# Altium PCB PI_CAN_Interface_v2.PcbDoc
Units mil, origin at the board's own origin, x right, y up, seen from the top; angles counter-clockwise.
Board outline 2565.49 x 2211.16 mil, 2 copper layers (Top Layer, Bottom Layer); 50 components, 37 nets, 172 pads, 310 vias.
Unrouted connection lines stored in the file: 12.
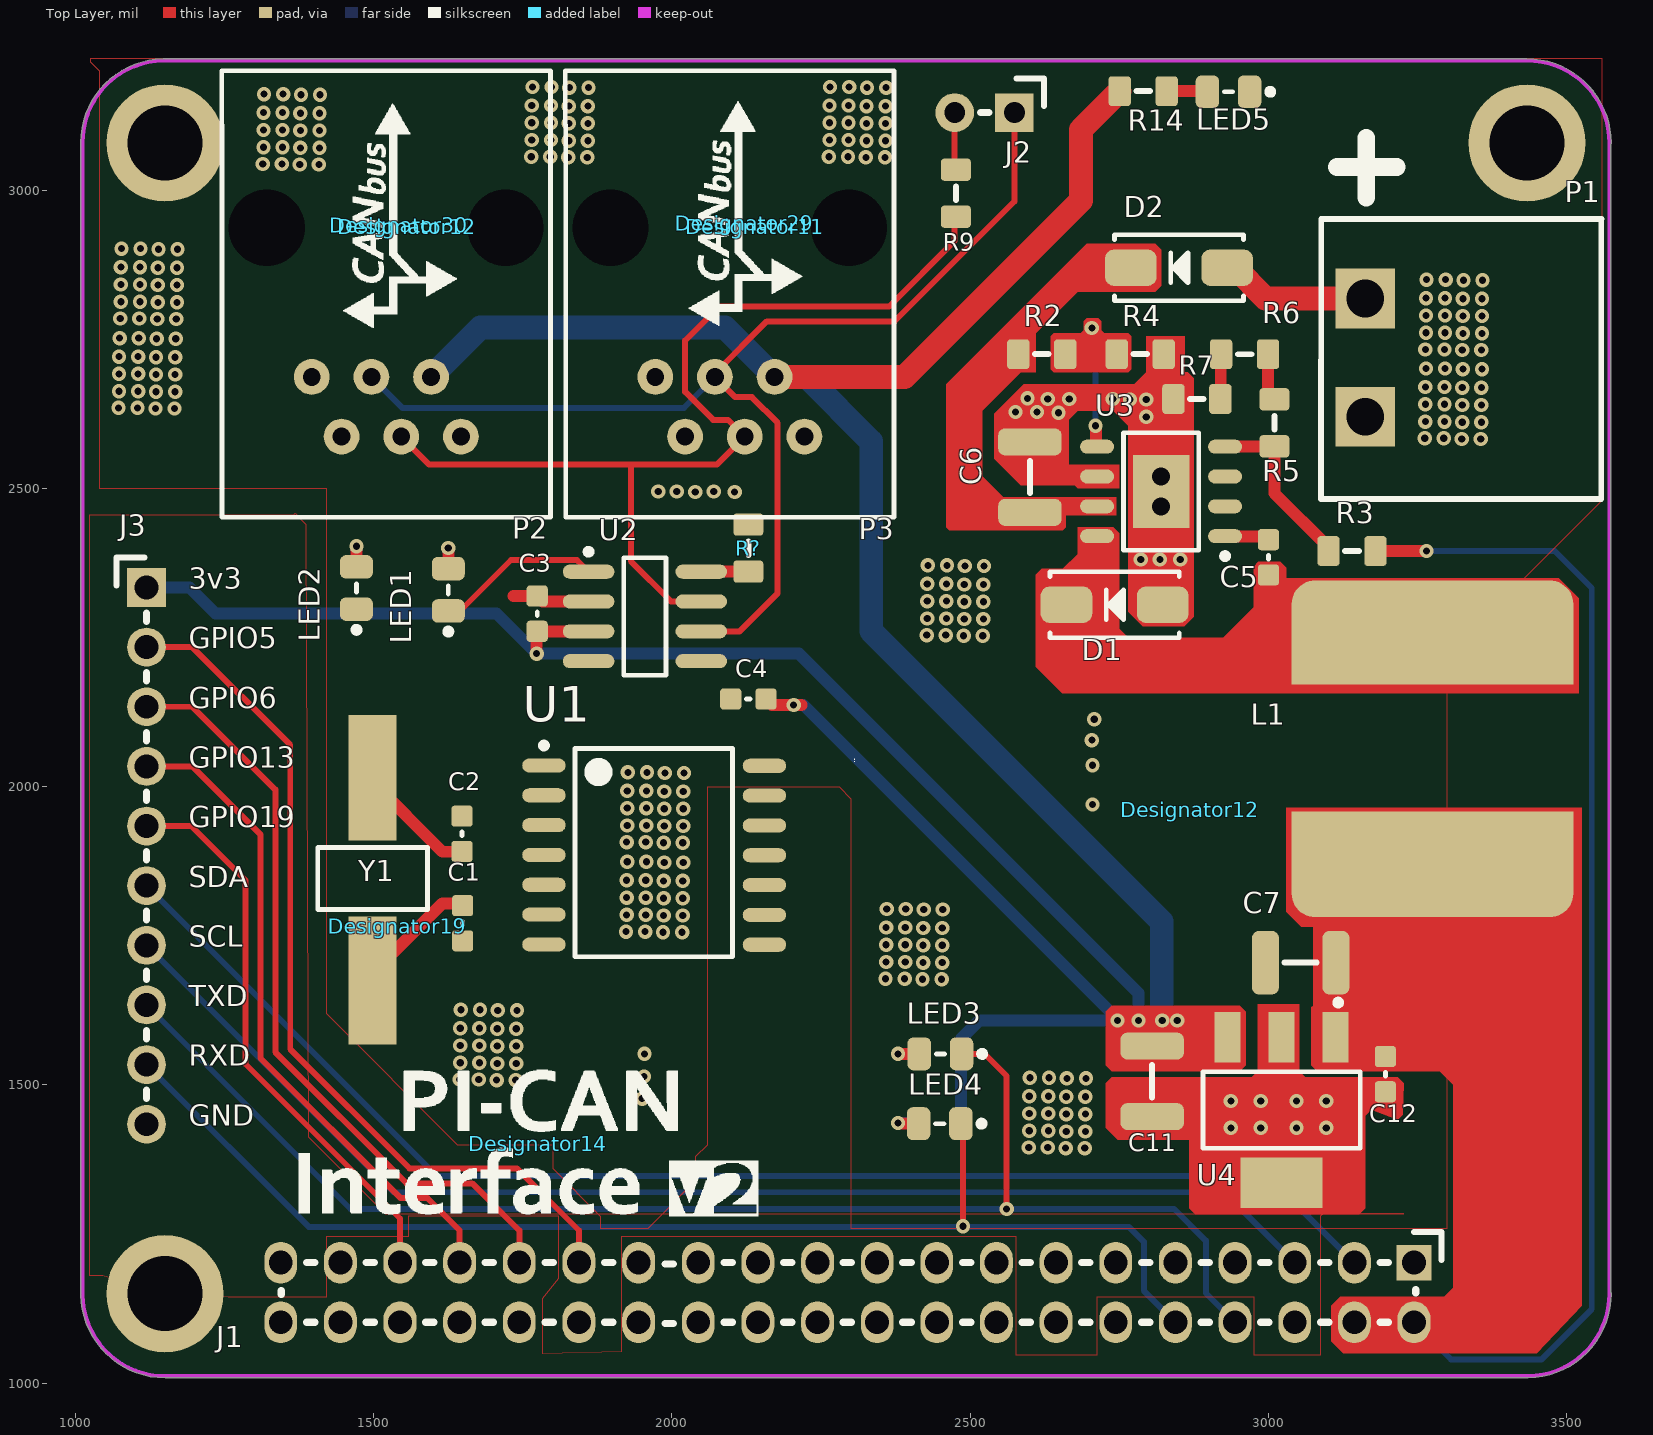
[diagram p0: Top Layer view]
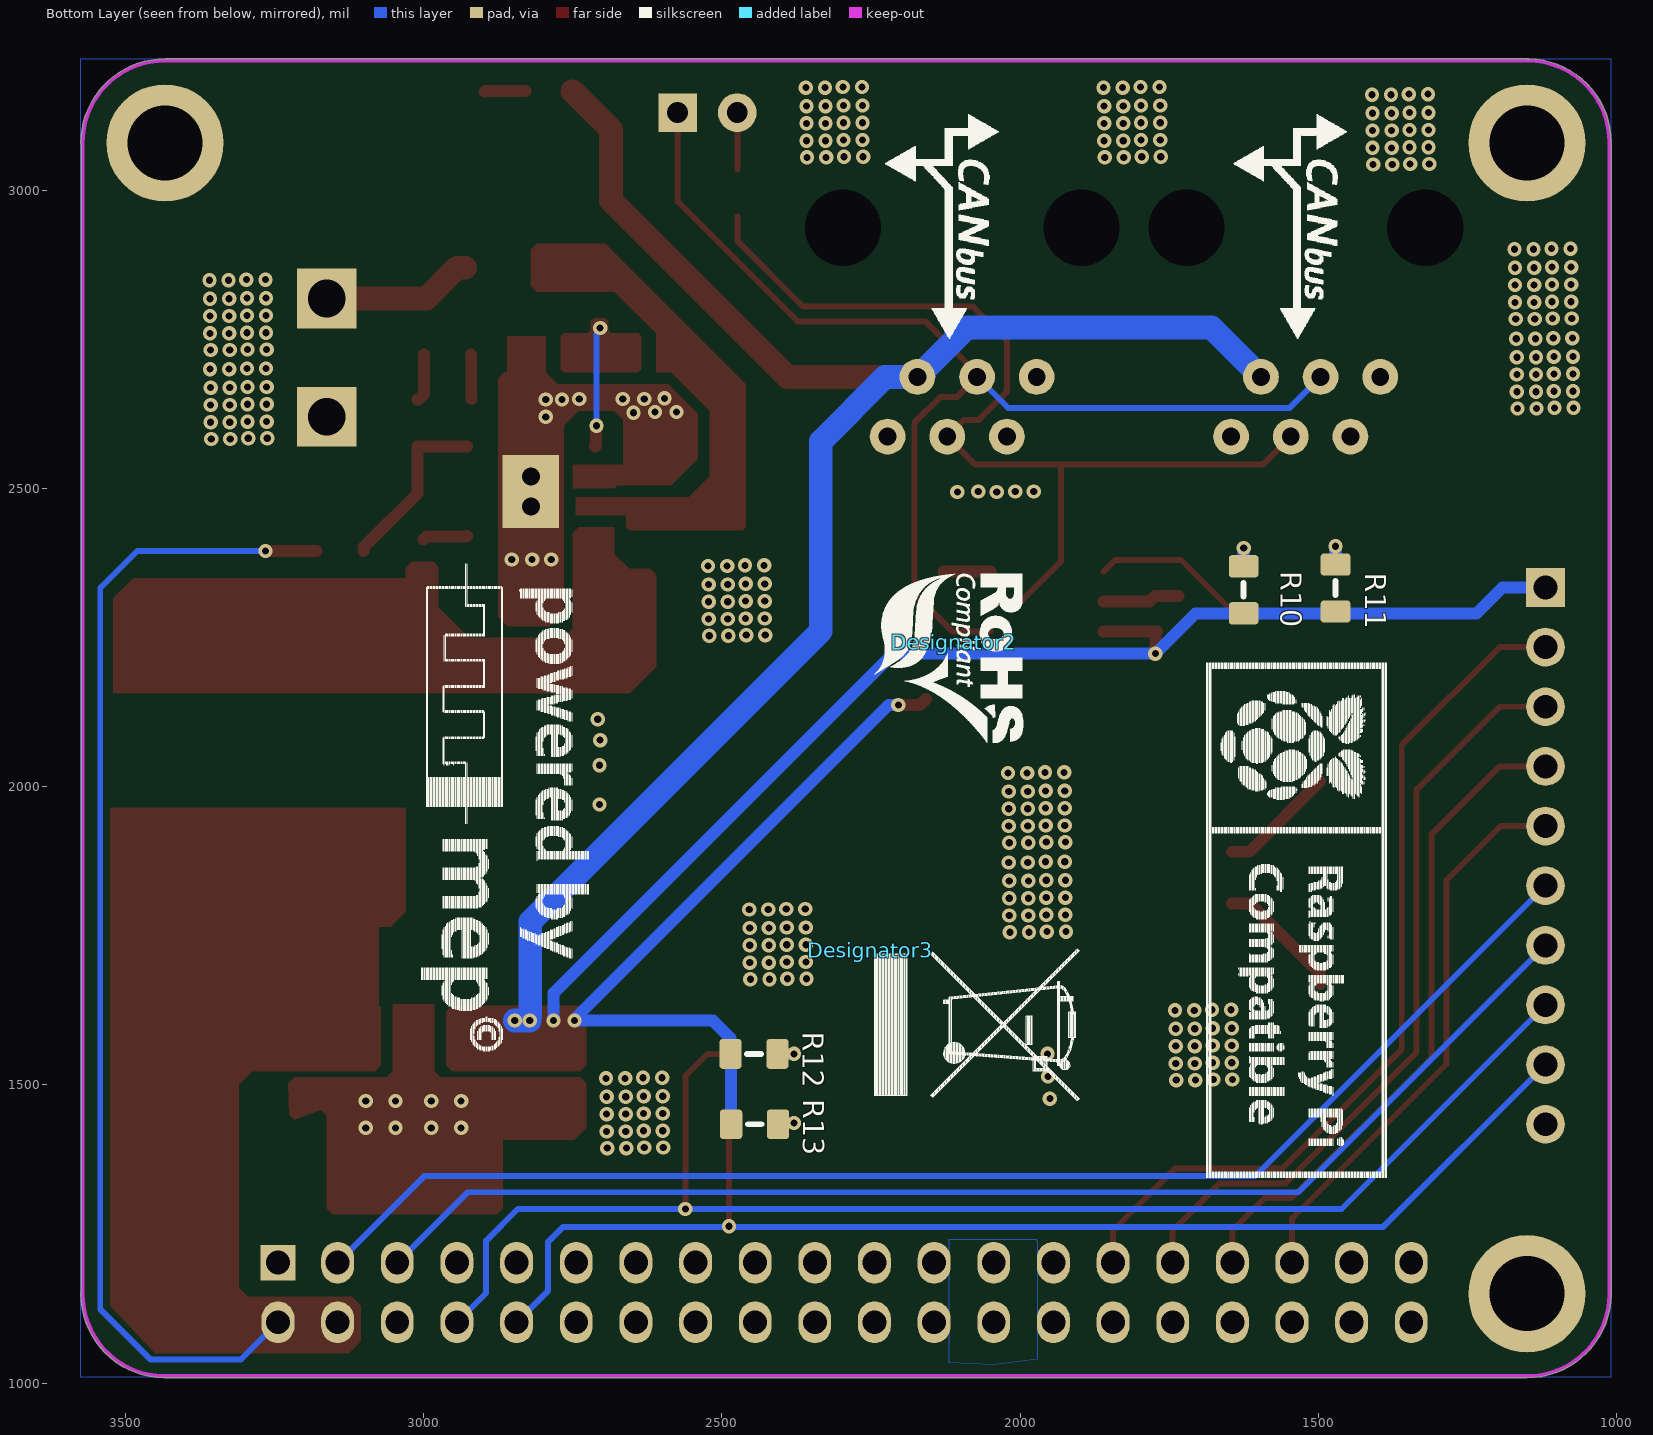
[diagram p1: Bottom Layer view, seen from below]

## Layer stack, top to bottom
Top Solder: solder mask 0.4, Solder Resist, Dk 3.5
Top Layer: signal copper 1.4
Dielectric 1: dielectric 12.6, FR-4, Dk 4.8
Bottom Layer: signal copper 1.4
Bottom Solder: solder mask 0.4, Solder Resist, Dk 3.5

## Board outline
1009,1147.93 cw(c1012.01,1147.97) 1009.19,1149.03 cw(c1012,1150.13) 1008.99,1150.13 1008.99,3080 cw(c1149.13,3080) 1147.07,3220.13 cw(c1147.12,3217.12) 1148.29,3219.89 cw(c1149.13,3217) 1149.13,3220.01 3432.44,3220.01 cw(c3433.33,3217.13) 3433.33,3220.15 cw(c3433.46,3079.13) 3574.48,3079.13 cw(c3433.46,3079.13) 3574.48,3079 cw(c3571.46,3079) 3574.01,3077.39 3574.01,1151.74 cw(c3571.46,1150.13) 3574.48,1150.14 cw(c3433.47,1150) 3574.48,1150 cw(c3433.47,1150) 3435.54,1009 cw(c3435.5,1012.01) 3434.43,1009.19 cw(c3433.33,1012) 3433.33,1008.99 1150.13,1008.99 1150.14,1008.99 cw(c1150,1150)

## Design rules (kind name [scope] priority, off if disabled: settings)
Clearance [All] p1: gap=10 ignorepadtopadclearanceinfootprint=FALSE except(0: Arc-Hole Track-Hole SMDPad-Hole THPad-Hole Via-Hole Fill-Hole Poly-Hole Region-Hole Text-Hole)
PlaneConnect [All] p1: pad.planeconnectstyle=Relief pad.reliefexpansion=20 pad.reliefentries=4 pad.reliefconductorwidth=10 pad.reliefairgap=10 via.planeconnectstyle=Direct via.reliefexpansion=20 via.reliefentries=4 via.reliefconductorwidth=10 via.reliefairgap=10
PolygonConnect [All] p1: thpad.connectstyle=Direct thpad.reliefconductorwidth=10 thpad.reliefentries=4 thpad.polygonreliefangle="90 Angle" thpad.airgapwidth=6 smdpad.connectstyle=Relief smdpad.reliefconductorwidth=10 smdpad.reliefentries=4 smdpad.polygonreliefangle="90 Angle" smdpad.airgapwidth=10 via.connectstyle=Direct via.reliefconductorwidth=10 via.reliefentries=4 via.polygonreliefangle="90 Angle" via.airgapwidth=6
RoutingVias [All] p1: holewidth=12 width=24 viastyle="Through Hole" minholewidth=12 minwidth=24 maxholewidth=28 maxwidth=50
SilkToSolderMaskClearance [IsPad] p1: minsilkscreentomaskgap=2 clearancetoexposedcopper=TRUE
SolderMaskExpansion [All] p1: expansion=4
Width [All] p1: maxlimit=40 minlimit=10 preferedwidth=20
28 further rules are at their usual default settings.

## Classes and differential pairs
component class PI_CAN_Interface_v2: * C1 C2 C3 C4 C5 C6 C7 C11 C12 D1 D2 J1 J2 J3 L1 LED1 LED2 LED3 LED4 LED5 P1 P2 P3 R2 R3 R4 R5 R6 R7 R9 R10 R11 R12 R13 R14 R? U1 U2 U3 U4 Y1

## Components (designator, comment, footprint, x,y, rotation, side; value= is the part's Value field where it differs from the comment)
C1 "22pF" CER_0603 1649,1771 r180 top
C2 "22pF" CER_0603 1648,1921 r0 top
C3 "100n" CER_0603 1774,2290 r0 top
C4 "100n" CER_0603 2128,2147 r90 top
C5 "0.01uF" CER_0603 3000,2384.53 r180 top
C6 "10uF" CER_1210 2600,2520 r0 top
C7 "220uF" TANT_1210 3055,1705 r270 top
C11 "10uF" TANT_1210 2805,1507 r0 top
C12 "100n" CER_0603 3196,1518 r180 top
D1 "B340A" DO214AC 2742,2305 r0 top
D2 "SK34" DO214AC 2850,2870 r0 top
Designator2 "Comment" "Silk - ROHS" 2111.1,2242 r270 bottom
Designator3 "Comment" "SILK - RECYCLE maxi" 2251,1726 r270 bottom
Designator11 "Comment" CANbus_LOGO_bottom_big 2139,2939 r90 top
Designator12 "Comment" CANbus_LOGO_bottom_big 1555,2939 r90 top
Designator12 "Comment" MEP_LOGO_BIG 2868,1961 r90 top
Designator14 "Comment" PICAN 1775,1401 r0 top
Designator19 "Comment" RPI_PWD_bottom_big 1539,1766 r90 top
Designator29 "Comment" CANbus_LOGO_top 2121,2945 r90 top
Designator30 "Comment" CANbus_LOGO_top 1542,2941 r90 top
J1 "00000005" HM2X20 2294,1152 r270 top
J2 "*" HM1X2 2524,3130 r180 top
J3 "00000006" HM1X10 1119,1884 r270 top
L1 "15uH" INDUCTOR_SS1260-103MLD 3290,2065 r90 top
LED1 "LED GREEN" LED_GREEN_0805 1625,2330 r90 top
LED2 "LED GREEN" LED_GREEN_0805 1471,2333 r90 top
LED3 "LED GREEN" LED_GREEN_0805 2450,1552 r180 top
LED4 "LED GREEN" LED_GREEN_0805 2449,1435 r180 top
LED5 "LED RED" LED_RED_0805 2933,3165 r180 top
P1 "*" PWR_CON 3162,2620.43 r0 top
P2 "RJ-11" RJ11-6N-B 1498,2870 r270 top
P3 "RJ-11" RJ11-6N-B 2074,2870 r270 top
R2 "330k" RESC2013X38N-0805-NOOVERLAY 2620,2725 r270 top
R3 "10k" RESC2013X38N-0805-NOOVERLAY 3140,2395 r90 top
R4 "56k" RESC2013X38N-0805-NOOVERLAY 2785,2725 r270 top
R5 "220R" RESC2013X38N-0805-NOOVERLAY 3010,2610 r0 top
R6 "820R" RESC2013X38N-0805-NOOVERLAY 2960,2725 r90 top
R7 "2.2K" RESC2013X38N-0805-NOOVERLAY 2880,2650 r90 top
R9 "120R" RESC2013X38N-0805-NOOVERLAY 2476,2995 r180 top
R10 "1k" RESC2013X38N-0805-NOOVERLAY 1625,2330 r180 bottom
R11 "1k" RESC2013X38N-0805-NOOVERLAY 1471,2333 r180 bottom
R12 "1k" RESC2013X38N-0805-NOOVERLAY 2446,1552 r270 bottom
R13 "1k" RESC2013X38N-0805-NOOVERLAY 2445,1434 r270 bottom
R14 "1k" RESC2013X38N-0805-NOOVERLAY 2790,3166 r270 top
R? "10k" RESC2013X38N-0805-NOOVERLAY 2128,2400 r0 top
U1 "MCP2518FD" SOIC14-300 1785,2035 r0 top
U2 "SN65HVD230DR" SOIC-8 1955,2285 r0 top
U3 "TPS5430" HSOP-8 2820,2495 r180 top
U4 "LM2937-5" SOT223 3022,1458 r180 top
Y1 "20MHz" OSCILATOR 1496,1845 r90 top

## Footprints (in the part's own frame and the unit in brackets; to place one, negate y for a bottom-side part, rotate by r counter-clockwise, add the part's x,y. Pads: shape width x height; smd on the part's side, far side on the other; paste and mask are expansions set on the pad)
CANbus_LOGO_bottom_big [mil]
CANbus_LOGO_top [mil]
  silkscreen extent -172,-97 204,92
CER_0603 [mm]
  rrect30% 0.9x0.9 smd: 1(0,0.75) 2(0,-0.75)
  silkscreen extent 0,-0.08 0,0.08, body extent -0.4,-0.8 0.4,0.8, height 0.79
CER_1210 [mm]
  rrect50% 2.7x1.15 smd: 1(0.003,1.474) 2(0.003,-1.526)
  silkscreen extent 0,-0.71 0,0.66, body extent -1.25,-1.6 1.25,1.6, height 1
DO214AC [mm] "Diode,Molded Body;5.105mm L X 2.665mm W X 2.29mm H"
  rrect50% 2.2x1.55 smd: 1(-2.05,0) 2(2.05,0)
  silkscreen extent -2.75,-1.4 2.75,1.4, body extent -2.75,-1.4 2.75,1.4, height 2.6
HM1X2 [mil] "Single row pin header 1x2, 2.54mm"
  rect 65x65 hole 35: 1(-50,0)
  round 65 hole 35: 2(50,0)
  silkscreen extent -100,-57 7,0, body extent -100,-57 100,57, height 335
HM1X10 [mil]
  rect 65x65 hole 40: 1(-450,0)
  round 65 hole 40: 2(-350,0) 3(-250,0) 4(-150,0) 5(-50,0) 6(50,0) 7(150,0) 8(250,0) 9(350,0) 10(450,0)
  silkscreen extent -500,-50 407,0, body extent -500,-50 500,50, height 336
HM2X20 [mil] "Double row pin header 2x20, 2.54mm"
  rect 59.06x59.06 hole 40: 1(-50,950)
  oval 70x55 hole 40: 2(50,950) 3(-50,850) 4(50,850) 5(-50,750) 6(50,750) 7(-50,650) 8(50,650) 9(-50,550) 10(50,550) 11(-50,450) 12(50,450) 13(-50,350) 14(50,350) 15(-50,250) 16(50,250) 17(-50,150) 18(50,150) 19(-50,50) 20(50,50) 21(-50,-50) 22(50,-50) 23(-50,-150) 24(50,-150) 25(-50,-250) 26(50,-250) 27(-50,-350) 28(50,-350) 29(-50,-450) 30(50,-450) 31(-50,-550) 32(50,-550) 33(-50,-650) 34(50,-650) 35(-50,-750) 36(50,-750) 37(-50,-850) 38(50,-850) 39(-50,-950) 40(50,-950)
  silkscreen extent -101,-949 52,996, body extent -99,-1007 97,1005, height 84
HSOP-8 [mm] "SOIC, 8-Leads, Body 4.90x3.90mm, Pitch 1.27mm, Thermal Pad 3.10x2.40mm, IPC Medium Density"
  oval 1.45x0.6 smd: 1(-2.725,1.905) 2(-2.725,0.635) 3(-2.725,-0.635) 4(-2.725,-1.905) 5(2.725,-1.905) 6(2.725,-0.635) 7(2.725,0.635) 8(2.725,1.905)
  rect 2.4x3.1 all layers, no hole: 9(0,0)
  silkscreen extent -2.85,-2.5 1.6,2.88, body extent -3.02,-2.36 3.01,2.34, height 1.7
INDUCTOR_SS1260-103MLD [mil]
  rect 75x472.44 smd: 1(144,15) 2(-144,15)
  rrect50% 157.48x472.44 smd: 1(202,15) 2(-205,15)
  body extent -247,-231 245,261, height 315
LED_GREEN_0805 [mm] "Diode GREEN;2.00mm L X 1.25mm W X 1.20mm H"
  rrect50% 1x1.4 smd: 1(-0.9,0) 2(0.9,0)
  silkscreen extent -1.9,-0.13 0.18,0.13, body extent -1.01,-0.62 1.01,0.63, height 1.1
LED_RED_0805 [mm] "Diode 2.00mm L X 1.25mm W X 1.20mm H"
  rrect50% 1x1.4 smd: 1(-0.9,0) 2(0.9,0)
  silkscreen extent -1.91,-0.13 0.18,0.13, body extent -1.05,-0.67 1.05,0.68, height 0.9
MEP_LOGO_BIG [mil]
OSCILATOR [mil]
  rect 210x80 smd: 1(170,-2)
  rect 215x80 smd: 2(-170,-2)
  silkscreen extent -51,-94 53,90, body extent -251,-95 253,95, height 169
PICAN [mil]
  silkscreen extent -401,-120 370,124
PWR_CON [mm]
  rect 2.54x2.54 hole 1.6: 1(0,0) 2(0,5.029)
  silkscreen extent -1.88,-3.51 10.06,8.42, body extent -2.01,-3.59 10,8.57, height 8.73
RESC2013X38N-0805-NOOVERLAY [mm] "Resistor,Chip;2.03mm L X 1.27mm W X 0.6mm H"
  rrect30% 1.27x0.95 smd: 1(0,1) 2(0,-1)
  silkscreen extent 0,-0.29 0,0.29, body extent -0.62,-1 0.63,1, height 0.5
RJ11-6N-B [mm] "RJ11 MODULAR JACK 6 POSITION, 1 PORT"
  round 1.524 hole 0.76: 1(7.19,3.76) 2(4.65,2.49) 3(7.19,1.22) 4(4.65,-0.05) 5(7.19,-1.32) 6(4.65,-2.59)
  round 0 hole 3.25: ""(-1.7,5.66) ""(-1.7,-4.5)
  silkscreen extent -8.38,-6.42 10.63,7.58, body extent -8.04,-5.95 10.16,7.35, height 11.5
RPI_PWD_bottom_big [mil]
"SILK - RECYCLE maxi" [mil]
  silkscreen extent -2,8 252,350
"Silk - ROHS" [mil]
  silkscreen extent -115,-133 169,116
SOIC14-300 [mm]
  oval 1.85x0.6 smd: 1(0.009,0.013) 2(0.009,-1.257) 3(0.009,-2.527) 4(0.009,-3.797) 5(0.009,-5.067) 6(0.009,-6.337) 7(0.009,-7.607) 8(9.398,-7.62) 9(9.398,-6.35) 10(9.398,-5.08) 11(9.398,-3.81) 12(9.398,-2.54) 13(9.398,-1.27) 14(9.398,0)
  silkscreen extent -0.12,-8.13 8.03,0.99, body extent -0.42,-8.31 10.08,0.69, height 2.67
SOIC-8 [mm]
  oval 2.2x0.6 smd: 1(-2.409,1.914) 2(-2.409,0.644) 3(-2.409,-0.626) 4(-2.409,-1.896) 5(2.391,-1.896) 6(2.391,-0.626) 7(2.391,0.644) 8(2.391,1.914)
  silkscreen extent -2.53,-2.49 0.89,2.89, body extent -2.84,-2.45 2.93,2.45, height 1.45
SOT223 [mm] "SOT-223/SC-73; 4 Leads; Body 6.7 x 7.3 mm, inc. leads (LxW max)"
  rect 1.1x2.15 smd: 1(-2.3,-3.1) 2(0,-3.1) 3(2.3,-3.1)
  rect 3.5x2.15 smd: 4(0,3.1)
  silkscreen extent -3.35,-4.7 3.35,1.63, body extent -3.25,-3.6 3.25,3.4, height 1.7
TANT_1210 [mm]
  rrect50% 2.7x1.15 smd: 1(0.003,1.474) 2(0.003,-1.526)
  silkscreen extent 0,-0.71 0,0.66, body extent -1.4,-1.83 1.4,1.83, height 1.92

## Part data
C1 C2: library part 00002200, "CAP CER 20p 0805", Capacitance=22pF
C3 C4 C5 C12: library part 06032105, "CAP CER 100n 10V X5R 10% 0603"
  C3 C4 C12: Capacitance=100n
  C5: Capacitance=0.01uF
C6: library part 00002225, "CAP CER 2.2u X7R 100V 20% 1210", Capacitance=10uF
C7: library part 00011106, "CAP TANT 10u 25V T491 2312", Capacitance=220uF
C11: library part 00001106, "CAP TANT 10u"
D1: library part B360B, "DIODE SCHOTTKY 60V 3A DO214AC", Current  Average Rectified=3A, Manufacturer="Vishay Semiconductor Diodes Division", Package Case="DO-214AC, SMA", Recommended Rating=Silver, Voltage  DC Reverse=60V, Voltage  Forward="550mV @ 3A", Assembly=SMD, Barcode=0100000007488, Category="Discrete Semiconductor Products", Datasheet URL=http://www.vishay.com/docs/88896/b330la.pdf, Diode Type=Schottky, Family=DIODE, id=62, item_id=1025, Manufacturer Part Number=B340A, Part Type="Discrete Semiconductors", Speed="Fast Recovery =< 500ns, > 200mA (Io)"
D2: "DIODE SCHOTTKY 40V 3A DO214AC", Current  Average Rectified=3A, Manufacturer="Vishay Semiconductor Diodes Division", Package Case="DO-214AC, SMA", Recommended Rating=Silver, Voltage  DC Reverse=40V, Voltage  Forward="550mV @ 3A", Assembly=SMD, Barcode=0100000007488, Category="Discrete Semiconductor Products", Datasheet URL=http://www.vishay.com/docs/88896/b330la.pdf, Diode Type=Schottky, Family=DIODE, id=62, item_id=1025, Manufacturer Part Number=SK34, Part Type="Discrete Semiconductors", Speed="Fast Recovery =< 500ns, > 200mA (Io)"
J2: library part 00000003
L1: library part IND_10uH, "FIXED IND 10uH 3A", Current Rating=3A, DC Resistance=45mOhm, Manufacturer=Coilcraft, Manufacturer Part Number=XAL7030-103MEB, Package Case=8x8mm, Tolerance=20%, Assembly=SMD, Category="Inductors, Coils, Chokes", Datasheet URL=http://www.mouser.com/ds/2/597/MSS7348-1076571.pdf, Family=INDUCTOR, Inductance=15uH, Part Type="Inductor, Transf, Filter, Ferrite", Product Page Mouser=https://eu.mouser.com/ProductDetail/Coilcraft/MSS7348-103MEB/?qs=sGAEpiMZZMsg%252by3WlYCkU%252bbmGPYv72aIHZue6QQJkp0%3d
LED1 LED2 LED3 LED4: library part "LED_GREEN 0805", "LED GREEN CLEAR 0805 SMD", Color=Green, Lens Color=Colorless, Manufacturer=Kingbright, Manufacturer Part Number=APT2012SGC, Package Case="0805 (2012 Metric)", Recommended Rating=Platinum, Voltage Forward=2.2V, Assembly=SMD, Barcode=2911010024338, Category=Optoelectronics, Datasheet URL=http://www.kingbrightusa.com/images/catalog/SPEC/APT2012SGC.pdf, Family=LED, id=28, item_id=3342, Lens Transparency=Clear, Part Type=Optoelectronics, Wavelength=568nm
LED5: library part LED_RED_0805, "LED RED 0805", Color=Red, Manufacturer="BRIGHT LED ELECTRONICS", Manufacturer Part Number=BL-HUB35A-AV-TRB, Package Case="0805 (2012 Metric)", Recommended Rating=Platinum, Voltage Forward="2.0 V", Assembly=SMD, Barcode=2911010024321, Family=LED, id=35, item_id=3341, Part Type=Optoelectronics
P1: library part 00000002
P2 P3: library part 00000001, Manufacturer Part Number=RJ-11
R2: library part 00003303, "RES SMD 330 kOhm 1/8W 0805", Power="0.125W, 1/8W", Assembly=SMD, Barcode=00003303, Resistance=330k
R3: library part 00005102, "RES SMD 51 kOhm 1/8W 0805", Power="0.125W, 1/8W", Assembly=SMD, Barcode=00005102, Resistance=10k
R4: library part 00005602, "RES SMD 56 kOhm 1/8W 0805", Power="0.125W, 1/8W", Assembly=SMD, Barcode=00004701, Resistance=56k
R5 R6 R7: library part 00009101, "RES SMD 9.1 kOhm 1/8W 0805", Power="0.125W, 1/8W", Assembly=SMD, Barcode=00009101
  R5: Resistance=220R
  R6: Resistance=820R
  R7: Resistance=2.2K
R9: library part 000001200, "RES SMD 120 Ohm 1/8W 0805", Resistance=120R
R10 R11 R12 R13 R14: library part 00001001, "RES SMD 1 kOhm 1/8W 0805", Power="0.125W, 1/8W", Assembly=SMD, Barcode=00009101, Resistance=1k
R?: library part 000001002, "RES SMD 10 kOhm 1/8W 0805", Resistance=10k
U1: "IC CAN CONTROLLER W/SPI 18SOIC"
U2: library part SN65HVD230, "IC EMC CAN TRANSCEIVER 8-SOIC", Package=SOIC-8, Supplier Part Number 1=296-11654-6-ND, Assembly=SMD, Barcode=00000001, Category="Integrated Circuits (ICs)", Comet Product Page=http://store.comet.rs/Catalogue/Product/9057/, ComponentLink1Description=Datasheet, ComponentLink1URL=https://drive.google.com/open?id=1nnIt1YdPD-fa76215Pk9yoYp68chwc7j, Datasheet Link=http://www.ti.com/lit/ds/symlink/sn65hvd232.pdf, Family=Comunication, Manufacturer Part Number=SN65HVD230DR, Supplier 1=Digi-Key, Supplier 2=Mouser, Supplier Part Number 2=595-SN65HVD230DR
U4: library part 00000007, "IC REG LINEAR 5V 400MA SOT223-4", Datasheet Link=http://www.ti.com/lit/ds/symlink/lm2937.pdf, Manufacturer Part Number=LM2937-5
Y1: library part XtalSmd, "Crystal Oscillator", LatestRevisionDate=17-Jul-2002, LatestRevisionNote="Re-released for DXP Platform.", Order Code="Q16.000 MHz HC-49SM SMD", PackageReference=R38, Published=8-Jun-2000, Publisher="Altium Limited", Supplier=Comet.rs

## Free pads (board coordinates)
  round 196.85 hole 125.98: ""(1150,1150) ""(1150,3079.13) ""(3433.46,3079.13)

## Via types
v1: diameter 24, hole 12, Top Layer to Bottom Layer, tented both sides, 308 vias
v2: diameter 50, hole 30, Top Layer to Bottom Layer, 2 vias

## Nets (pads, with @x,y where several pads share a name; then routed paths per layer and width w, separated by ;. In a path a pad name is that pad's centre, name@x,y a point inside that pad or via, vN(x,y) a via of type N, cw(c..) or ccw(c..) an arc to the next point about the centre after c; other vN are vias at no path point)
GND: C1.1 C2.1 C3.1 C4.1 C6.1 C7.2 C11.2 C12.1 D1.2 J1.6 J1.9 J1.14 J1.20 J1.25 J1.30 J1.34 J1.39 J3.10 LED5.1 P1.1 P2.5 P3.5 R4.1 R7.1 R?.1 U1.7 U2.2 U3.6 U3.9 U4.2 U4.4 | length 129.4
  Top Layer w20: 1734.53,2319.53 C3.1 1783.16,2310.37 U2.2
  other v1: 2660,1394 2692,1394 2598,1395 2630,1395 2661,1422 2693,1422 2599,1423 2631,1423 2937,1428 2987,1428 3047,1428 3097,1428 2661,1451 2693,1451 2599,1452 2631,1452 2937,1473 2987,1473 3047,1473 3097,1473 1950,1477 2661,1480 2693,1480 2599,1481 2631,1481 1706,1508 1738,1508 1644,1509 1676,1509 2662,1511 2694,1511 2600,1512 2632,1512 1953,1514 1707,1536 1739,1536 1645,1537 1677,1537 1954,1552 1707,1565 1739,1565 1645,1566 1677,1566 1707,1594 1739,1594 1645,1595 1677,1595 1708,1625 1740,1625 1646,1626 1678,1626 2420,1677 2452,1677 2358,1678 2390,1678 2421,1705 2453,1705 2359,1706 2391,1706 2421,1734 2453,1734 2359,1735 2391,1735 1985,1756 2017,1756 1923,1757 1955,1757 2421,1763 2453,1763 2359,1764 2391,1764 1986,1784 2018,1784 1924,1785 1956,1785 2422,1794 2454,1794 2360,1795 2392,1795 1986,1813 2018,1813 1924,1814 1956,1814 1986,1842 2018,1842 1924,1843 1956,1843 1987,1873 2019,1873 1925,1874 1957,1874 1986,1906 2018,1906 1924,1907 1956,1907 1987,1934 2019,1934 1925,1935 1957,1935 1987,1963 2019,1963 1925,1964 1957,1964 2705,1970 1987,1992 2019,1992 1925,1993 1957,1993 1988,2023 2020,2023 1926,2024 1958,2024 2705,2036 2704,2078 2708,2113 2489,2253 2521,2253 2427,2254 2459,2254 2490,2281 2522,2281 2428,2282 2460,2282 2490,2310 2522,2310 2428,2311 2460,2311 2490,2339 2522,2339 2428,2340 2460,2340 2491,2370 2523,2370 2429,2371 2461,2371 2786,2381 2818,2381 2852,2381 2039,2494 2105,2494 1977,2495 2008,2495 2070,2495 3324,2583 3356,2583 3262,2584 3294,2584 3325,2611 3357,2611 3263,2612 3295,2612 2795,2620 2648,2627 2576,2628 2612,2628 1134,2634 1166,2634 1072,2635 1104,2635 3325,2640 3357,2640 3263,2641 3295,2641 2768,2649 2795,2649 2630,2650 2666,2650 2739,2650 2596,2651 1135,2662 1167,2662 1073,2663 1105,2663 3325,2669 3357,2669 3263,2670 3295,2670 1135,2691 1167,2691 1073,2692 1105,2692 3326,2700 3358,2700 3264,2701 3296,2701 1135,2720 1167,2720 1073,2721 1105,2721 3325,2732 3357,2732 3263,2733 3295,2733 1136,2751 1168,2751 1074,2752 1106,2752 3326,2760 3358,2760 3264,2761 3296,2761 1137,2784 1169,2784 1075,2785 1107,2785 3326,2789 3358,2789 3264,2790 3296,2790 1138,2812 1170,2812 1076,2813 1108,2813 3326,2818 3358,2818 3264,2819 3296,2819 1138,2841 1170,2841 1076,2842 1108,2842 3327,2849 3359,2849 3265,2850 3297,2850 1138,2870 1170,2870 1076,2871 1108,2871 1139,2901 1171,2901 1077,2902 1109,2902 1376,3043 1408,3043 1314,3044 1346,3044 1826,3055 1858,3055 2325,3055 2357,3055 1764,3056 1796,3056 2263,3056 2295,3056 1377,3071 1409,3071 1315,3072 1347,3072 1827,3083 1859,3083 2326,3083 2358,3083 1765,3084 1797,3084 2264,3084 2296,3084 1377,3100 1409,3100 1315,3101 1347,3101 1827,3112 1859,3112 2326,3112 2358,3112 1765,3113 1797,3113 2264,3113 2296,3113 1377,3129 1409,3129 1315,3130 1347,3130 1827,3141 1859,3141 2326,3141 2358,3141 1765,3142 1797,3142 2264,3142 2296,3142 1378,3160 1410,3160 1316,3161 1348,3161 1828,3172 1860,3172 2327,3172 2359,3172 1766,3173 1798,3173 2265,3173 2297,3173
  other v2: 2820,2470 2820,2520
GPIO_05: J1.29 J3.2 | length 1482.9
  Top Layer w10: J3.2 1196,2234 1360,2070 1360,1560 1560,1360 1740,1360 1844,1256 J1.29
GPIO_06: J1.31 J3.3 | length 1300.4
  Top Layer w10: J3.3 1196,2134 1335,1995 1335,1555 1555,1335 1665,1335 1744,1256 J1.31
GPIO_13: J1.33 J3.4 | length 1120.9
  Top Layer w10: J3.4 1196,2034 1310,1920 1310,1545 1545,1310 1590,1310 1644,1256 J1.33
GPIO_19: J1.35 J3.5 | length 952
  Top Layer w10: J3.5 1194,1934 1285,1843 1285,1535 1544,1276 J1.35
I2C_SCL: J1.5 J3.7 | length 2145.4
  Bottom Layer w10: J3.7 1533,1320 2926,1320 J1.5
I2C_SDA: J1.3 J3.6 | length 2286.8
  Bottom Layer w10: J3.6 1606,1347 2999,1347 J1.3
I\N\T\: J1.22 U1.4
NetC1_2: C1.2 U1.6 Y1.2 | length 213.9
  Top Layer w20: Y1.2@1497,1669 1497,1686 1615.09,1804.09 C1.2@1645,1804.09
NetC2_2: C2.2 U1.5 Y1.1 | length 196.9
  Top Layer w20: Y1.1@1497,2009 1615.09,1890.91 C2.2@1645,1890.91
NetC5_1: C5.1 D1.1 L1.1 U3.8
NetC5_2: C5.2 U3.1 | length 75
  Top Layer w20: U3.1 2927.98,2419.31 2995.22,2419.31 C5.2@3000,2414.53
NetC6_2: C6.2 D2.1 R2.2 U3.7
NetD2_2: D2.2 P1.2 | length 252.7
  Top Layer w40: D2.2 2943.5,2870 2995.07,2818.43 P1.2
NetJ2_1: J2.1 P2.4 P3.4 U2.6 | length 1972.4
  Top Layer w10: U2.6 2113.37,2260.37 2177.03,2324.03 2177.03,2609.97 2134,2653 2105.96,2653 P3.4 2072.03,2693.03 2159,2780 2373,2780 2574,2981 J2.1
  Bottom Layer w10: P2.4 1547.96,2635 2020.1,2635 P3.4
NetJ2_2: J2.2 R9.2 | length 95.6
  Top Layer w10: R9.2@2474,3034.37 J2.2
NetLED1_1: LED1.1 U1.1 U2.1 | length 278.7
  Top Layer w10: LED1.1 1644.57,2294.57 1730,2380 1840.54,2380 U2.1
NetLED1_2: LED1.2 R10.1 | length 65.2
  Top Layer w20: LED1.2 v1(1625,2400)
  Bottom Layer w20: R10.1 v1(1625,2400)
NetLED2_1: LED2.1 U1.2 U2.4
NetLED2_2: LED2.2 R11.1 | length 65.2
  Top Layer w20: LED2.2 v1(1471,2403)
  Bottom Layer w20: R11.1 v1(1471,2403)
NetLED3_2: LED3.2 R12.1 | length 63.2
  Top Layer w20: v1(2379,1552) LED3.2
  Bottom Layer w20: v1(2379,1552) R12.1
NetLED4_2: LED4.2 R13.1 | length 64.4
  Top Layer w20: v1(2379,1436) 2378,1435 LED4.2
  Bottom Layer w20: v1(2379,1436) 2403.63,1436 R13.1
NetLED5_2: LED5.2 R14.1 | length 68.6
  Top Layer w20: R14.1 2896.57,3166 LED5.2
NetP2_3: P2.3 P3.3 R9.1 U2.7 | length 1700
  Top Layer w10: P2.3 1592.96,2540 2075.1,2540 P3.3 2093.96,2615 2069,2615 2022,2662 2022,2748 2079,2805 2364,2805 2474,2915 R9.1@2474,2955.63 ; 1931,2538 1931,2378 1998.63,2310.37 U2.7
NetR2_1: R2.1 R4.2 U3.5 | length 202.8
  Top Layer w20: v1(2710,2605) 2710.77,2604.23 2710.77,2571.67 2712.44,2570 U3.5
  Bottom Layer w10: v1(2704,2769) 2704,2765.21 2710,2759.21 v1(2710,2605)
NetR3_1: R3.1 R5.2 U3.4 | length 296.1
  Top Layer w20: U3.4 2927.6,2570.32 3009.68,2570.32 R5.2 3010,2491.93 3100.63,2401.3 R3.1
NetR5_1: R5.1 R6.2 | length 81.2
  Top Layer w20: R6.2 2999.37,2658.07 3008.07,2649.37 R5.1
NetR6_1: R6.1 R7.2 | length 75.5
  Top Layer w20: R7.2 2920,2650.63 2920,2724.37 R6.1
NetR?_2: R?.2 U2.8 | length 79
  Top Layer w20: U2.8 2127.74,2360.37 R?.2
RXD: J1.10 J3.9 LED4.1 | length 2119.5
  Top Layer w10: LED4.1 LED4.1@2488,1431.43 ; v1(2488,1263) LED4.1@2488,1425.43
  Bottom Layer w10: J3.9 1391,1262 2766,1262 2791,1237 2791,1155 J1.10
SPI_DI: J1.19 U1.11
SPI_DO: J1.21 U1.12
SPI_nCS: J1.24 U1.13
SPI_SCK: J1.23 U1.10
TXD: J1.8 J3.8 LED3.1 | length 2406.4
  Top Layer w10: LED3.1 2521,1552 ; 2525,1551 2561,1515 v1(2561,1292)
  Bottom Layer w10: J3.8 1461,1292 2672,1292 2842,1292 2895,1239 2895,1151 J1.8
VCC-3V3: C3.2 C4.2 C11.1 J3.1 P2.2 P3.2 R10.2 R11.2 R12.2 R13.2 R14.2 U1.14 U2.3 U4.3 | length 6257.4
  Top Layer w20: v1(1773,2223) 1773,2257.27 1769.9,2260.37 U2.3 ; C4.2 2167.53,2137 v1(2204,2137) 2217.37,2137
  Top Layer w40: P3.2 2389.93,2686.93 2686,2983 2686,3101.37 R14.2
  Bottom Layer w20: J3.1 1191,2334 1235,2290 1706,2290 v1(1773,2223) 2213,2223 2782,1654 v1(2782,1608) ; v1(2204,2137) 2220,2137 v1@2747,1610 ; R13.2@2482.37,1433 R13.2@2484.37,1435 ; R13.2 R13.2@2484.37,1435 ; R13.2@2485.37,1436 R13.2@2484.37,1435 ; R12.2 2484.37,1551 R13.2@2484.37,1435 ; R12.2 2485.43,1578.43 2515,1608 v1(2747,1608)
  Bottom Layer w40: P2.2 1679.1,2770 2088.96,2770 P3.2 2226.07,2686.93 2334,2579 2334,2261 2821,1774 v1@2821,1614 ; v1(2822,1608) v1(2847,1608)
VCC-5V: C7.1 C12.2 J1.2 J1.4 L1.2 R3.2 U4.1 | length 1955.8
  Top Layer w20: R3.2 v1(3265,2395)
  Bottom Layer w10: J1.2 3306,1040 3458,1040 3542,1124 3542,2333 3480,2395 v1(3265,2395)
pads on no net: J1.1 J1.7 J1.11 J1.12 J1.13 J1.15 J1.16 J1.17 J1.18 J1.26 J1.27 J1.28 J1.32 J1.36 J1.37 J1.38 J1.40 P2. P2.1 P2.6 P3. P3.1 P3.6 U1.3 U1.8 U1.9 U2.5 U3.2 U3.3

## Polygon pours and split planes (outlines as drawn)
GND on Top Layer "Top Layer-GND" (solid, shelved, pour order 34): 1025,3215 1040,3200 1040,2500 1420,2500 1420,1620 1640,1400 1800,1400 1800,1360 1880,1280 1880,1260 1960,1260 2040,1340 2040,1380 2060,1400 2060,2000 2280,2000 2300,1980 2300,1260 3300,1260 3300,2220 3560,2480 3560,3220 1025,3220
GND on Top Layer "Top Layer-No Net" (solid, shelved, pour order 8): 3227,1284.21 3091.67,1284.21 3087,1279.54 3087,1046.69 2976,1046.69 2976,1144 2712,1144 2712,1047 2577,1046.69 2577,1245 1915,1245 1915,1053 1783,1049 1783,1142 1810,1176 1810,1279.54 1558.21,1279.54 1558.21,1245 1420,1245 1420,1144 1256,1144 1150,1150 1046,1180 1024,1180 1024,2456 1366,2456 1368,2458 1386,2440 1390.11,1413.11 1519,1284.21
GND on Bottom Layer "Bottom Layer-GND" (solid, shelved, pour order 32): 1010,3220 1010,1010 3575,1010 3575,3220
GND on Bottom Layer "Top Layer-No Net" (solid, shelved, pour order 10): 1974,1241 1971,1238 1971,1040 2045,1031 2119,1034 2119,1083.34 2119,1241

## Keep-outs
Keep-Out Layer:
  lines w6: 1012.01,1147.97 ccw(c1150,1150) 1150.13,1012 3433.33,1012 ; 1012,1150.13 1012,3080 ; 1012,3079.87 cw(c1149.13,3080) 1147.12,3217.12 ; 1149.13,3217 3433.46,3217 ; 3433.33,3217.13 cw(c3433.46,3079.13) 3571.46,3079 ; 3435.5,1012.01 ccw(c3433.47,1150) 3571.46,1150.13 ; 3571,1149.67 3571,3079.46

## Other copper
Top Layer:
  region net VCC-5V: 3217,1523 3287,1523 3310,1500 3310,1160 3295,1145 3120,1145 3105,1130 3105,1070 3125,1050 3450,1050 3525,1130 3525,1135 3525,1625 3225,1625
  region net VCC-5V: 3030,1965 3030,1790 3055,1765 3075,1765 3075,1633 3217,1633 3225,1625 3525,1625 3525,1965
  region net NetC5_1: 2610,2265 2610,2250 2765,2250 2750,2265
  region net NetC5_1: 2924,2250 2975,2301 2975,2369 2983,2377 3020,2377 3030,2367 3030,2349 3487,2349 3520,2316 3520,2157 2654,2157 2610,2201 2610,2250
  region net NetC5_1: 2680,2435 2680,2390 2655,2365 2620,2365 2610,2355 2610,2265 2750,2265 2750,2425 2740,2435
  region net NetR2_1: 2640,2695 2635,2700 2635,2755 2640,2760 2685,2760 2690,2765 2690,2780 2695,2785 2715,2785 2720,2780 2720,2765 2725,2760 2765,2760 2770,2755 2770,2700 2765,2695
  region net NetC6_2: 2555,2485 2520,2520 2520,2630 2585,2695 2610,2695 2610,2760 2680,2830 2810,2830 2820,2840 2820,2900 2810,2910 2695,2910 2460,2675 2460,2485
  region net NetC6_2: 2745,2485 2745,2455 2660,2455 2660,2435 2655,2430 2465,2430 2460,2435 2460,2485
  region net GND: 2875,2610 2875,2285 2859,2269 2789,2269 2765,2293 2765,2605 2740,2630 2800,2630 2820,2610
  region net GND: 2665,2615 2680,2630 2800,2630 2820,2610 2875,2610 2875,2685 2865,2695 2860,2695 2860,2755 2795,2755 2795,2695 2775,2675 2590,2675 2540,2625 2540,2615
  region net GND: 2540,2550 2585,2505 2675,2505 2680,2500 2750,2500 2750,2540 2665,2540 2665,2615 2540,2615
  region net GND: 2982,1523 2972,1513 2737,1513 2727,1503 2727,1428 2747,1408 2858,1408 2867,1408 2867,1293 2877,1283 3152,1283 3162,1293 3162,1448 3172,1458 3217,1441.94 3225.03,1449.97 3227,1503 3217,1513 3062,1513 3052,1523 3052,1635 2990,1635 2982,1635
  region net VCC-5V: 3227,1533 3217,1523 3082,1523 3072,1533 3072,1630 3075,1633 3217,1633 3227,1623
  region net VCC-3V3: 2962,1623 2962,1533 2952,1523 2737,1523 2727,1533 2727,1623 2737,1633 2952,1633

## Silkscreen, mask and mechanical layers (free items; w line width, h text height)
Top Overlay:
  lines w1: 2306,2042 2306,2043 ; 2306,2045 2306,2047
  lines w30: 3115,3039 3215,3039 ; 3164,2988 3164,3088
  text "3v3" at 1190,2320 h60
  text "GPIO5" at 1190,2220 h60
  text "GPIO6" at 1190,2120 h60
  text "GPIO13" at 1190,2020 h60
  text "GPIO19" at 1190,1920 h60
  text "SDA" at 1190,1820 h60
  text "SCL" at 1190,1720 h60
  text "TXD" at 1190,1620 h60
  text "RXD" at 1190,1520 h60
  text "GND" at 1190,1420 h60
Bottom Overlay: